# Altium PCB TwoFoot_PCB_m4T1Top2.PcbDoc (part 5 of 9)
Units mil, origin at the board's own origin, x right, y up, seen from the top; angles counter-clockwise.
Board outline 2525.58 x 2682.53 mil, 2 copper layers (Top Layer, Bottom Layer); 83 components, 113 nets, 349 pads, 87 vias.
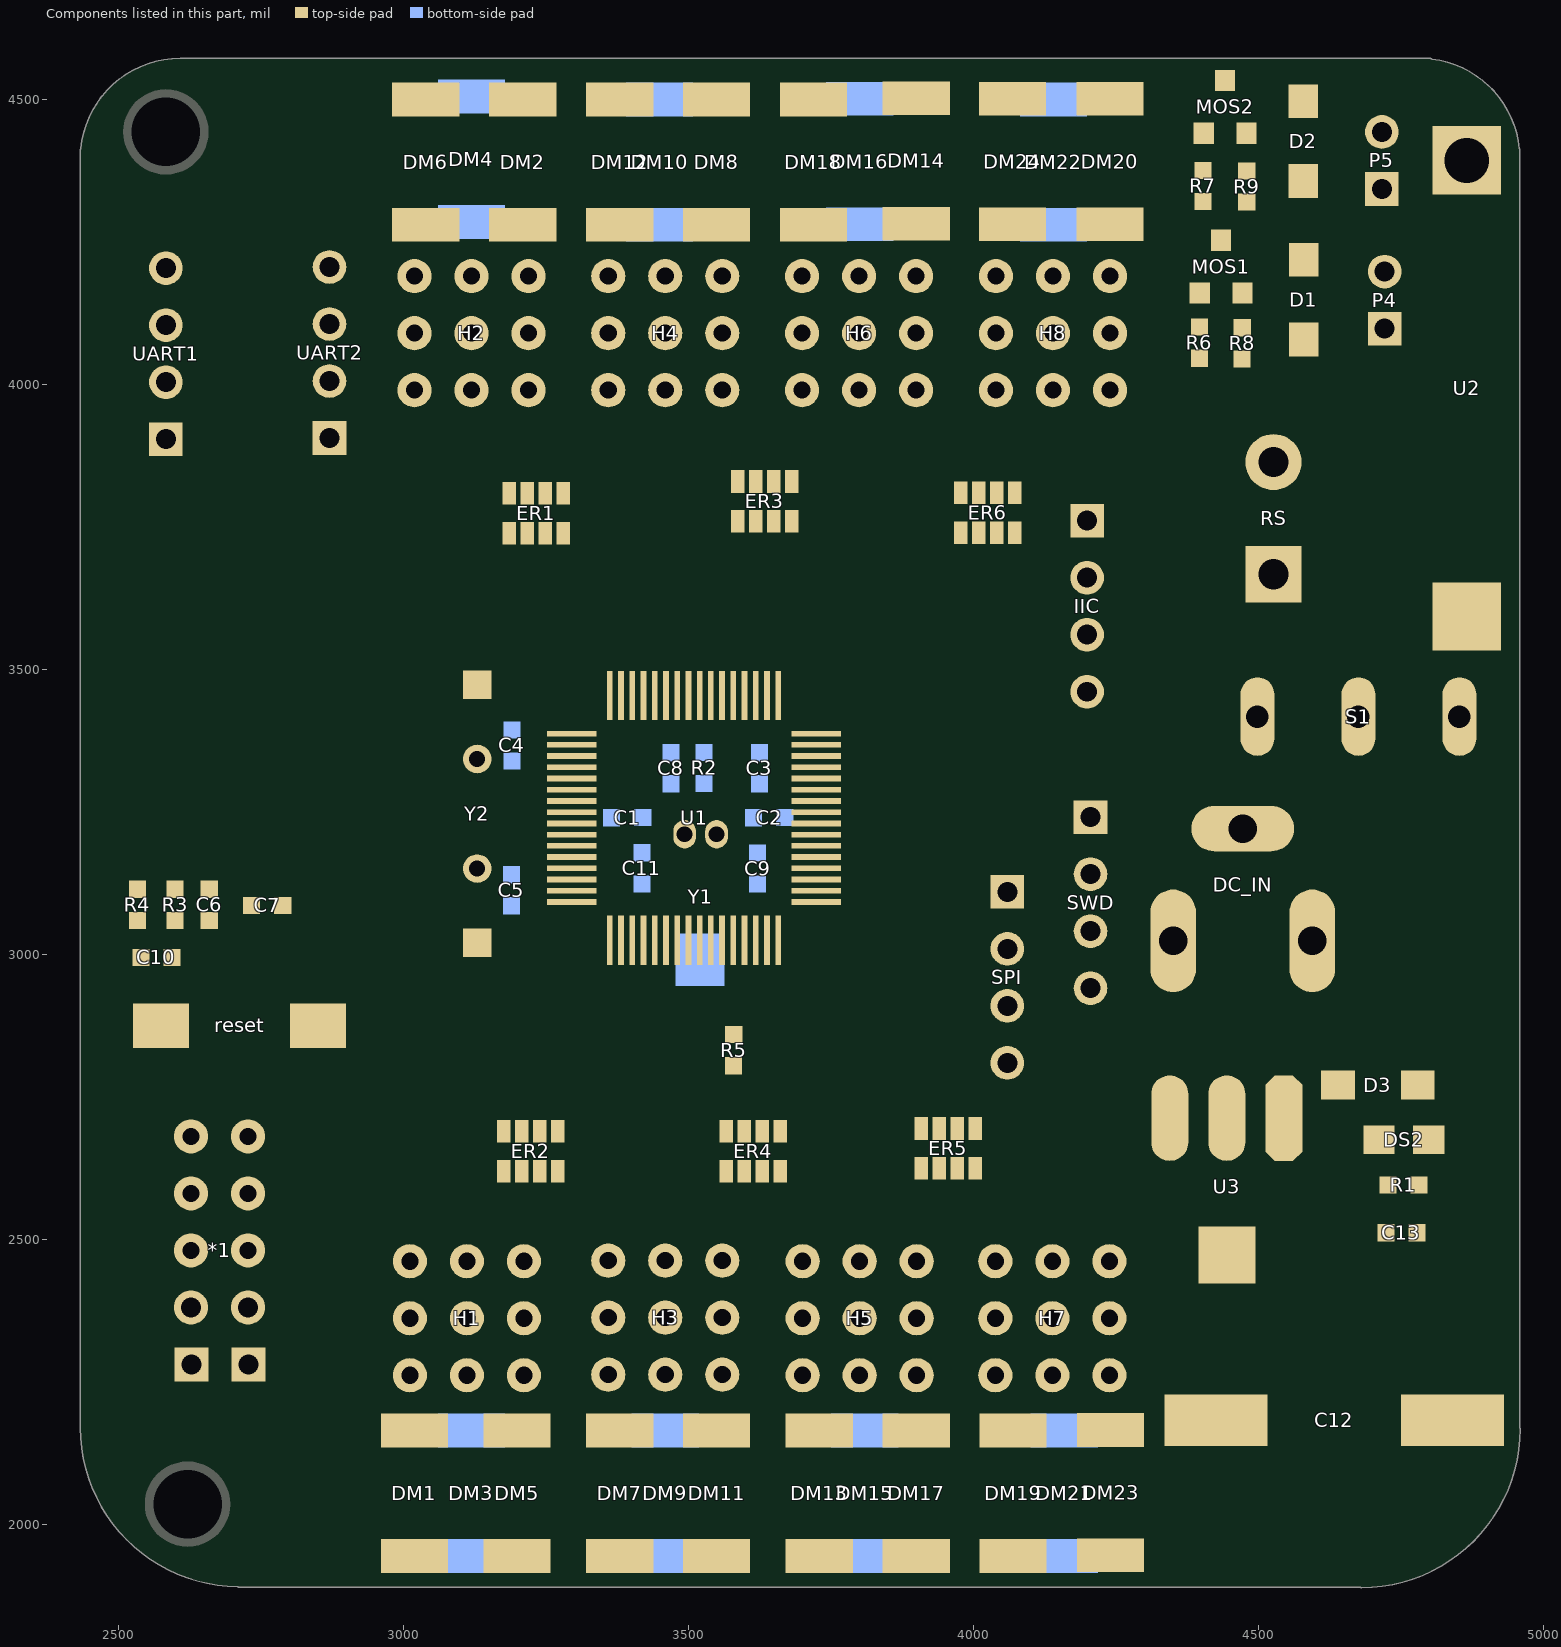
[diagram p5: the components of this part, seen from the top]

## Via types
v1: diameter 24, hole 12, Top Layer to Bottom Layer, 65 vias
v2: diameter 30, hole 20, Top Layer to Bottom Layer, 8 vias
v3: diameter 20, hole 15, Top Layer to Bottom Layer, 8 vias
v4: diameter 32, hole 15, Top Layer to Bottom Layer, 3 vias
v5: diameter 60, hole 45, Top Layer to Bottom Layer, 1 vias
v6: diameter 50, hole 35, Top Layer to Bottom Layer, 1 vias
v7: diameter 30, hole 15, Top Layer to Bottom Layer, 1 vias

## Nets (pads, with @x,y where several pads share a name; then routed paths per layer and width w, separated by ;. In a path a pad name is that pad's centre, name@x,y a point inside that pad or via, vN(x,y) a via of type N, cw(c..) or ccw(c..) an arc to the next point about the centre after c; other vN are vias at no path point) (continued)
copper on no net: (continued)
  Top Layer w0.6: 2886.6,3435.8 2886.6,3596.6 ; 2886.6,3597.2 2886.6,3723.8 ; 2887.2,3434.6 2887.2,3506 ; 2887.2,3506.6 2887.2,3508.4 ; 2887.2,3509 2887.2,3510.8 ; 2887.2,3511.4 2887.2,3513.8 ; 2887.2,3514.4 2887.2,3661.4 ; 2887.2,3662 2887.2,3662.6 ; 2887.2,3663.2 2887.2,3725 ; 2887.8,3433.4 2887.8,3503.6 ; 2887.8,3504.2 2887.8,3509.6 ; 2887.8,3510.2 2887.8,3725.6 ; 2888.4,3432.8 2888.4,3626 ; 2888.4,3627.8 2888.4,3632.6 ; 2888.4,3633.2 2888.4,3726.2 ; 2889,3432.2 2889,3433.4 ; 2889,3434 2889,3456.8 ; 2889,3457.4 2889,3459.2 ; 2889,3459.8 2889,3624.8 ; 2889,3636.2 2889,3671 ; 2889,3671.6 2889,3726.8 ; 2889.6,3431 2889.6,3432.8 ; 2889.6,3433.4 2889.6,3455.6 ; 2889.6,3456.2 2889.6,3507.8 ; 2889.6,3508.4 2889.6,3511.4 ; 2889.6,3512 2889.6,3515 ; 2889.6,3515.6 2889.6,3623 ; 2889.6,3638 2889.6,3671 ; 2889.6,3672.2 2889.6,3727.4 ; 2890.2,3430.4 2890.2,3512 ; 2890.2,3513.2 2890.2,3621.8 ; 2890.2,3639.2 2890.2,3670.4 ; 2890.2,3672.2 2890.2,3723.2 ; 2890.2,3723.8 2890.2,3727.4 ; 2890.8,3429.2 2890.8,3452.6 ; 2890.8,3453.2 2890.8,3513.2 ; 2890.8,3513.8 2890.8,3621.2 ; 2890.8,3641.6 2890.8,3642.2 ; 2890.8,3642.8 2890.8,3662 ; 2890.8,3662.6 2890.8,3669.8 ; 2890.8,3672.8 2890.8,3725 ; 2890.8,3725.6 2890.8,3728.6 ; 2891.4,3428.6 2891.4,3455 ; 2891.4,3455.6 2891.4,3514.4 ; 2891.4,3515 2891.4,3621.2 ; 2891.4,3642.8 2891.4,3669.8 ; 2891.4,3672.8 2891.4,3728.6 ; 2892,3428 2892,3428.6 ; 2892,3429.8 2892,3451.4 ; 2892,3452 2892,3515 ; 2892,3515.6 2892,3620 ; 2892,3642.2 2892,3669.2 ; 2892,3673.4 2892,3728.6 ; 2892.6,3427.4 2892.6,3620 ; 2892.6,3645.2 2892.6,3669.2 ; 2892.6,3673.4 2892.6,3729.2 ; 2893.2,3426.2 2893.2,3448.4 ; 2893.2,3449 2893.2,3453.2 ; 2893.2,3453.8 2893.2,3515.6 ; 2893.2,3516.2 2893.2,3619.4 ; 2893.2,3647 2893.2,3669.2 ; 2893.2,3674 2893.2,3729.2 ; 2893.8,3425.6 2893.8,3426.8 ; 2893.8,3427.4 2893.8,3442.4 ; 2893.8,3443.6 2893.8,3452 ; 2893.8,3452.6 2893.8,3513.2 ; 2893.8,3513.8 2893.8,3619.4 ; 2893.8,3648.8 2893.8,3669.2 ; 2893.8,3674 2893.8,3729.8 ; 2894.4,3424.4 2894.4,3426.2 ; 2894.4,3426.8 2894.4,3618.8 ; 2894.4,3651.2 2894.4,3668 ; 2894.4,3674.6 2894.4,3675.8 ; 2894.4,3676.4 2894.4,3726.8 ; 2894.4,3727.4 2894.4,3729.8 ; 2895,3423.8 2895,3450.8 ; 2895,3452 2895,3618.8 ; 2895,3653 2895,3667.4 ; 2895,3674.6 2895,3675.2 ; 2895,3677 2895,3712.4 ; 2895,3713 2895,3729.8 ; 2895.6,3423.2 2895.6,3424.4 ; 2895.6,3425 2895.6,3618.2 ; 2895.6,3654.2 2895.6,3667.4 ; 2895.6,3677 2895.6,3730.4 ; 2896.2,3422.6 2896.2,3447.2 ; 2896.2,3447.8 2896.2,3450.8 ; 2896.2,3451.4 2896.2,3617.6 ; 2896.2,3654.8 2896.2,3667.4 ; 2896.2,3677.6 2896.2,3685.4 ; 2896.2,3686 2896.2,3730.4 ; 2896.8,3421.4 2896.8,3617 ; 2896.8,3656.6 2896.8,3667.4 ; 2896.8,3681.8 2896.8,3685.4 ; 2896.8,3686.6 2896.8,3729.2 ; 2896.8,3729.8 2896.8,3730.4 ; 2897.4,3421.4 2897.4,3616.4 ; 2897.4,3657.2 2897.4,3665 ; 2897.4,3665.6 2897.4,3667.4 ; 2897.4,3682.4 2897.4,3685.4 ; 2897.4,3686 2897.4,3730.4 ; 2898,3420.2 2898,3615.8 ; 2898,3658.4 2898,3665 ; 2898,3665.6 2898,3666.2 ; 2898,3684.2 2898,3729.2 ; 2898,3729.8 2898,3730.4 ; 2898.6,3419.6 2898.6,3614.6 ; 2898.6,3659 2898.6,3665 ; 2898.6,3665.6 2898.6,3666.2 ; 2898.6,3687.8 2898.6,3729.2 ; 2898.6,3729.8 2898.6,3730.4 ; 2899.2,3419 2899.2,3614.6 ; 2899.2,3660.2 2899.2,3665.6 ; 2899.2,3690.2 2899.2,3730.4 ; 2899.8,3418.4 2899.8,3614 ; 2899.8,3660.2 2899.8,3665.6 ; 2899.8,3691.4 2899.8,3729.8 ; 2900.4,3417.8 2900.4,3614 ; 2900.4,3660.8 2900.4,3661.4 ; 2900.4,3662 2900.4,3665.6 ; 2900.4,3692.6 2900.4,3729.8 ; 2901,3417.2 2901,3483.8 ; 2901,3485.6 2901,3614 ; 2901,3660.8 2901,3661.4 ; 2901,3662 2901,3665.6 ; 2901,3692.6 2901,3729.8 ; 2901.6,3416.6 2901.6,3479.6 ; 2901.6,3486.8 2901.6,3614 ; 2901.6,3662.6 2901.6,3663.8 ; 2901.6,3664.4 2901.6,3665.6 ; 2901.6,3695.6 2901.6,3702.2 ; 2901.6,3703.4 2901.6,3729.8 ; 2902.2,3416 2902.2,3476 ; 2902.2,3488 2902.2,3488.6 ; 2902.2,3489.2 2902.2,3613.4 ; 2902.2,3662.6 2902.2,3663.8 ; 2902.2,3664.4 2902.2,3665.6 ; 2902.2,3696.2 2902.2,3702.2 ; 2902.2,3704 2902.2,3704.6 ; 2902.2,3705.2 2902.2,3729.2 ; 2902.8,3415.4 2902.8,3474.2 ; 2902.8,3489.8 2902.8,3602.6 ; 2902.8,3604.4 2902.8,3606.8 ; 2902.8,3608 2902.8,3608.6 ; 2902.8,3611 2902.8,3613.4 ; 2902.8,3662.6 2902.8,3663.8 ; 2902.8,3664.4 2902.8,3665.6 ; 2902.8,3696.8 2902.8,3702.2 ; 2902.8,3704 2902.8,3704.6 ; 2902.8,3707 2902.8,3729.2 ; 2903.4,3414.8 2903.4,3473.6 ; 2903.4,3490.4 2903.4,3602.6 ; 2903.4,3605 2903.4,3606.8 ; 2903.4,3611 2903.4,3613.4 ; 2903.4,3662.6 2903.4,3663.8 ; 2903.4,3664.4 2903.4,3665.6 ; 2903.4,3697.4 2903.4,3702.2 ; 2903.4,3708.2 2903.4,3729.8 ; 2904,3414.2 2904,3473 ; 2904,3491 2904,3602.6 ; 2904,3605.6 2904,3606.2 ; 2904,3610.4 2904,3613.4 ; 2904,3624.8 2904,3627.2 ; 2904,3627.8 2904,3628.4 ; 2904,3664.4 2904,3666.2 ; 2904,3697.4 2904,3699.8 ; 2904,3700.4 2904,3702.2 ; 2904,3708.8 2904,3709.4 ; 2904,3710.6 2904,3730.4 ; 2904.6,3413.6 2904.6,3470.6 ; 2904.6,3491.6 2904.6,3603.2 ; 2904.6,3609.8 2904.6,3614 ; 2904.6,3621.8 2904.6,3631.4 ; 2904.6,3664.4 2904.6,3666.2 ; 2904.6,3698 2904.6,3699.8 ; 2904.6,3700.4 2904.6,3702.2 ; 2904.6,3708.8 2904.6,3709.4 ; 2904.6,3710.6 2904.6,3731 ; 2905.2,3413 2905.2,3469.4 ; 2905.2,3492.2 2905.2,3603.2 ; 2905.2,3609.2 2905.2,3614.6 ; 2905.2,3620 2905.2,3633.2 ; 2905.2,3664.4 2905.2,3666.2 ; 2905.2,3698.6 2905.2,3699.8 ; 2905.2,3700.4 2905.2,3702.2 ; 2905.2,3710.6 2905.2,3711.8 ; 2905.2,3713 2905.2,3714.2 ; 2905.2,3714.8 2905.2,3731 ; 2905.8,3413 2905.8,3466.4 ; 2905.8,3467 2905.8,3468.8 ; 2905.8,3492.8 2905.8,3603.8 ; 2905.8,3608.6 2905.8,3614.6 ; 2905.8,3619.4 2905.8,3634.4 ; 2905.8,3664.4 2905.8,3666.2 ; 2905.8,3699.2 2905.8,3699.8 ; 2905.8,3700.4 2905.8,3702.2 ; 2905.8,3710.6 2905.8,3711.2 ; 2905.8,3713.6 2905.8,3714.2 ; 2905.8,3714.8 2905.8,3731.6 ; 2906.4,3412.4 2906.4,3468.2 ; 2906.4,3493.4 2906.4,3603.8 ; 2906.4,3608.6 2906.4,3614.6 ; 2906.4,3615.8 2906.4,3616.4 ; 2906.4,3619.4 2906.4,3635.6 ; 2906.4,3665 2906.4,3666.2 ; 2906.4,3700.4 2906.4,3702.2 ; 2906.4,3712.4 2906.4,3714.2 ; 2906.4,3714.8 2906.4,3731.6 ; 2907,3411.8 2907,3465.8 ; 2907,3494.6 2907,3603.8 ; 2907,3608.6 2907,3614.6 ; 2907,3615.8 2907,3616.4 ; 2907,3618.8 2907,3636.8 ; 2907,3665 2907,3666.2 ; 2907,3700.4 2907,3702.2 ; 2907,3713 2907,3714.2 ; 2907,3714.8 2907,3732.2 ; 2907.6,3411.2 2907.6,3464 ; 2907.6,3464.6 2907.6,3465.2 ; 2907.6,3497 2907.6,3605 ; 2907.6,3608.6 2907.6,3616.4 ; 2907.6,3617.6 2907.6,3637.4 ; 2907.6,3665 2907.6,3666.2 ; 2907.6,3700.4 2907.6,3701.6 ; 2907.6,3714.8 2907.6,3732.2 ; 2908.2,3410.6 2908.2,3463.4 ; 2908.2,3464.6 2908.2,3465.2 ; 2908.2,3495.8 2908.2,3605.6 ; 2908.2,3608.6 2908.2,3616.4 ; 2908.2,3617.6 2908.2,3638.6 ; 2908.2,3665 2908.2,3666.2 ; 2908.2,3699.8 2908.2,3701 ; 2908.2,3714.8 2908.2,3732.8 ; 2908.8,3407.6 2908.8,3462.8 ; 2908.8,3496.4 2908.8,3605.6 ; 2908.8,3609.2 2908.8,3616.4 ; 2908.8,3617 2908.8,3638.6 ; 2908.8,3665 2908.8,3666.2 ; 2908.8,3714.8 2908.8,3732.8 ; 2909.4,3405.2 2909.4,3440.6 ; 2909.4,3441.2 2909.4,3461.6 ; 2909.4,3497.6 2909.4,3605.6 ; 2909.4,3609.8 2909.4,3615.8 ; 2909.4,3617 2909.4,3639.2 ; 2909.4,3665 2909.4,3666.2 ; 2909.4,3714.2 2909.4,3733.4 ; 2910,3403.4 2910,3440 ; 2910,3441.8 2910,3460.4 ; 2910,3498.2 2910,3606.2 ; 2910,3610.4 2910,3615.8 ; 2910,3617 2910,3639.8 ; 2910,3665 2910,3666.2 ; 2910,3714.2 2910,3734 ; 2910.6,3402.2 2910.6,3440 ; 2910.6,3442.4 2910.6,3459.2 ; 2910.6,3498.2 2910.6,3608 ; 2910.6,3610.4 2910.6,3616.4 ; 2910.6,3617 2910.6,3640.4 ; 2910.6,3665 2910.6,3666.2 ; 2910.6,3714.2 2910.6,3734 ; 2911.2,3400.4 2911.2,3440 ; 2911.2,3442.4 2911.2,3459.8 ; 2911.2,3499.4 2911.2,3606.8 ; 2911.2,3608 2911.2,3609.2 ; 2911.2,3611 2911.2,3615.8 ; 2911.2,3617 2911.2,3640.4 ; 2911.2,3661.4 2911.2,3662 ; 2911.2,3664.4 2911.2,3666.2 ; 2911.2,3711.8 2911.2,3712.4 ; 2911.2,3713 2911.2,3713.6 ; 2911.2,3714.2 2911.2,3734.6 ; 2911.8,3399.2 2911.8,3439.4 ; 2911.8,3443.6 2911.8,3459.2 ; 2911.8,3498.2 2911.8,3610.4 ; 2911.8,3612.2 2911.8,3615.8 ; 2911.8,3616.4 2911.8,3641 ; 2911.8,3664.4 2911.8,3666.2 ; 2911.8,3714.2 2911.8,3734.6 ; 2912.4,3398.6 2912.4,3439.4 ; 2912.4,3444.2 2912.4,3458 ; 2912.4,3498.2 2912.4,3500.6 ; 2912.4,3503.6 2912.4,3510.2 ; 2912.4,3511.4 2912.4,3610.4 ; 2912.4,3612.2 2912.4,3641 ; 2912.4,3664.4 2912.4,3665.6 ; 2912.4,3714.2 2912.4,3734.6 ; 2913,3397.4 2913,3437 ; 2913,3444.8 2913,3457.4 ; 2913,3498.2 2913,3500 ; 2913,3508.4 2913,3509.6 ; 2913,3511.4 2913,3612.8 ; 2913,3613.4 2913,3641 ; 2913,3664.4 2913,3665.6 ; 2913,3714.2 2913,3735.2 ; 2913.6,3396.8 2913.6,3435.8 ; 2913.6,3445.4 2913.6,3456.8 ; 2913.6,3511.4 2913.6,3612.8 ; 2913.6,3613.4 2913.6,3614 ; 2913.6,3615.2 2913.6,3639.2 ; 2913.6,3639.8 2913.6,3641 ; 2913.6,3665 2913.6,3665.6 ; 2913.6,3713.6 2913.6,3735.2 ; 2914.2,3396.2 2914.2,3434 ; 2914.2,3446 2914.2,3456.2 ; 2914.2,3500 2914.2,3500.6 ; 2914.2,3510.8 2914.2,3611.6 ; 2914.2,3612.2 2914.2,3641 ; 2914.2,3663.8 2914.2,3665.6 ; 2914.2,3713.6 2914.2,3735.2 ; 2914.8,3395.6 2914.8,3433.4 ; 2914.8,3446.6 2914.8,3455 ; 2914.8,3499.4 2914.8,3501.8 ; 2914.8,3510.8 2914.8,3641 ; 2914.8,3663.8 2914.8,3665.6 ; 2914.8,3713.6 2914.8,3735.2 ; 2915.4,3394.4 2915.4,3399.8 ; 2915.4,3400.4 2915.4,3433.4 ; 2915.4,3446.6 2915.4,3447.2 ; 2915.4,3447.8 2915.4,3454.4 ; 2915.4,3497 2915.4,3498.2 ; 2915.4,3499.4 2915.4,3503 ; 2915.4,3510.8 2915.4,3612.8 ; 2915.4,3613.4 2915.4,3640.4 ; 2915.4,3663.8 2915.4,3665 ; 2915.4,3710 2915.4,3710.6 ; 2915.4,3713.6 2915.4,3735.8 ; 2916,3394.4 2916,3428.6 ; 2916,3429.2 2916,3431 ; 2916,3446.6 2916,3447.2 ; 2916,3447.8 2916,3454.4 ; 2916,3488.6 2916,3492.2 ; 2916,3493.4 2916,3494 ; 2916,3495.8 2916,3496.4 ; 2916,3497.6 2916,3503 ; 2916,3510.2 2916,3640.4 ; 2916,3659.6 2916,3660.2 ; 2916,3663.8 2916,3665 ; 2916,3713 2916,3735.8 ; 2916.6,3393.8 2916.6,3431 ; 2916.6,3448.4 2916.6,3454.4 ; 2916.6,3485.6 2916.6,3495.2 ; 2916.6,3497.6 2916.6,3503 ; 2916.6,3509.6 2916.6,3632.6 ; 2916.6,3633.2 2916.6,3639.8 ; 2916.6,3659.6 2916.6,3660.2 ; 2916.6,3663.2 2916.6,3665 ; 2916.6,3713 2916.6,3735.8 ; 2917.2,3393.2 2917.2,3404 ; 2917.2,3404.6 2917.2,3429.2 ; 2917.2,3448.4 2917.2,3453.8 ; 2917.2,3483.8 2917.2,3496.4 ; 2917.2,3497.6 2917.2,3503 ; 2917.2,3509.6 2917.2,3639.2 ; 2917.2,3659 2917.2,3660.2 ; 2917.2,3661.4 2917.2,3662 ; 2917.2,3663.2 2917.2,3664.4 ; 2917.2,3665 2917.2,3665.6 ; 2917.2,3713 2917.2,3735.8 ; 2917.8,3392.6 2917.8,3426.2 ; 2917.8,3427.4 2917.8,3429.2 ; 2917.8,3448.4 2917.8,3453.2 ; 2917.8,3482.6 2917.8,3497.6 ; 2917.8,3498.2 2917.8,3502.4 ; 2917.8,3509 2917.8,3638.6 ; 2917.8,3656.6 2917.8,3660.2 ; 2917.8,3662.6 2917.8,3665 ; 2917.8,3710 2917.8,3710.6 ; 2917.8,3712.4 2917.8,3735.8 ; 2918.4,3392.6 2918.4,3417.8 ; 2918.4,3419 2918.4,3426.2 ; 2918.4,3448.4 2918.4,3453.2 ; 2918.4,3480.8 2918.4,3501.8 ; 2918.4,3508.4 2918.4,3627.8 ; 2918.4,3629 2918.4,3637.4 ; 2918.4,3656.6 2918.4,3659.6 ; 2918.4,3662.6 2918.4,3663.8 ; 2918.4,3699.8 2918.4,3705.8 ; 2918.4,3710 2918.4,3710.6 ; 2918.4,3711.8 2918.4,3735.8 ; 2919,3392 2919,3417.8 ; 2919,3419 2919,3424.4 ; 2919,3448.4 2919,3452.6 ; 2919,3480.2 2919,3497.6 ; 2919,3498.2 2919,3501.8 ; 2919,3507.8 2919,3635 ; 2919,3654.2 2919,3659.6 ; 2919,3662.6 2919,3665 ; 2919,3693.2 2919,3735.8 ; 2919.6,3392 2919.6,3417.2 ; 2919.6,3418.4 2919.6,3423.8 ; 2919.6,3449 2919.6,3452 ; 2919.6,3479.6 2919.6,3497.6 ; 2919.6,3498.2 2919.6,3501.8 ; 2919.6,3507.2 2919.6,3632.6 ; 2919.6,3653.6 2919.6,3659 ; 2919.6,3661.4 2919.6,3663.8 ; 2919.6,3664.4 2919.6,3665 ; 2919.6,3693.2 2919.6,3711.8 ; 2919.6,3712.4 2919.6,3736.4 ; 2920.2,3391.4 2920.2,3414.2 ; 2920.2,3418.4 2920.2,3423.8 ; 2920.2,3449 2920.2,3451.4 ; 2920.2,3479 2920.2,3501.8 ; 2920.2,3506.6 2920.2,3632 ; 2920.2,3632.6 2920.2,3635.6 ; 2920.2,3653 2920.2,3658.4 ; 2920.2,3661.4 2920.2,3663.8 ; 2920.2,3664.4 2920.2,3665 ; 2920.2,3665.6 2920.2,3666.2 ; 2920.2,3695 2920.2,3711.8 ; 2920.2,3712.4 2920.2,3736.4 ; 2920.8,3391.4 2920.8,3415.4 ; 2920.8,3417.8 2920.8,3422 ; 2920.8,3449 2920.8,3450.2 ; 2920.8,3450.8 2920.8,3452 ; 2920.8,3477.8 2920.8,3497.6 ; 2920.8,3498.8 2920.8,3501.2 ; 2920.8,3506 2920.8,3629 ; 2920.8,3630.2 2920.8,3632.6 ; 2920.8,3633.2 2920.8,3637.4 ; 2920.8,3638 2920.8,3638.6 ; 2920.8,3639.8 2920.8,3641 ; 2920.8,3641.6 2920.8,3642.2 ; 2920.8,3645.2 2920.8,3647 ; 2920.8,3648.8 2920.8,3657.2 ; 2920.8,3657.8 2920.8,3659 ; 2920.8,3660.2 2920.8,3660.8 ; 2920.8,3661.4 2920.8,3663.8 ; 2920.8,3664.4 2920.8,3665.6 ; 2920.8,3695 2920.8,3736.4 ; 2921.4,3391.4 2921.4,3411.2 ; 2921.4,3411.8 2921.4,3413 ; 2921.4,3417.8 2921.4,3421.4 ; 2921.4,3449 2921.4,3452 ; 2921.4,3477.8 2921.4,3500 ; 2921.4,3500.6 2921.4,3501.2 ; 2921.4,3504.8 2921.4,3631.4 ; 2921.4,3632.6 2921.4,3641 ; 2921.4,3642.2 2921.4,3644.6 ; 2921.4,3648.8 2921.4,3657.8 ; 2921.4,3659 2921.4,3659.6 ; 2921.4,3660.8 2921.4,3664.4 ; 2921.4,3694.4 2921.4,3695 ; 2921.4,3695.6 2921.4,3736.4 ; 2922,3390.8 2922,3410 ; 2922,3418.4 2922,3419.6 ; 2922,3420.8 2922,3421.4 ; 2922,3449 2922,3451.4 ; 2922,3477.2 2922,3499.4 ; 2922,3500.6 2922,3501.2 ; 2922,3504.2 2922,3633.8 ; 2922,3635.6 2922,3641.6 ; 2922,3642.2 2922,3647 ; 2922,3647.6 2922,3657.8 ; 2922,3659 2922,3659.6 ; 2922,3660.2 2922,3662.6 ; 2922,3663.2 2922,3665 ; 2922,3693.2 2922,3695 ; 2922,3696.2 2922,3737 ; 2922.6,3390.8 2922.6,3393.2 ; 2922.6,3393.8 2922.6,3408.8 ; 2922.6,3410.6 2922.6,3411.8 ; 2922.6,3418.4 2922.6,3419 ; 2922.6,3449 2922.6,3450.8 ; 2922.6,3476.6 2922.6,3499.4 ; 2922.6,3500 2922.6,3500.6 ; 2922.6,3503.6 2922.6,3632 ; 2922.6,3632.6 2922.6,3657.2 ; 2922.6,3657.8 2922.6,3659 ; 2922.6,3659.6 2922.6,3660.8 ; 2922.6,3661.4 2922.6,3662.6 ; 2922.6,3663.8 2922.6,3665 ; 2922.6,3693.2 2922.6,3712.4 ; 2922.6,3713 2922.6,3737 ; 2923.2,3390.8 2923.2,3393.2 ; 2923.2,3393.8 2923.2,3408.8 ; 2923.2,3418.4 2923.2,3419 ; 2923.2,3449 2923.2,3450.8 ; 2923.2,3476 2923.2,3500.6 ; 2923.2,3503 2923.2,3640.4 ; 2923.2,3641 2923.2,3656.6 ; 2923.2,3657.8 2923.2,3658.4 ; 2923.2,3659 2923.2,3663.2 ; 2923.2,3663.8 2923.2,3665.6 ; 2923.2,3693.8 2923.2,3737 ; 2923.8,3390.8 2923.8,3404.6 ; 2923.8,3405.2 2923.8,3406.4 ; 2923.8,3407 2923.8,3408.8 ; 2923.8,3449 2923.8,3450.8 ; 2923.8,3476 2923.8,3476.6 ; 2923.8,3477.2 2923.8,3502.4 ; 2923.8,3503 2923.8,3636.8 ; 2923.8,3637.4 2923.8,3638 ; 2923.8,3639.2 2923.8,3656.6 ; 2923.8,3657.2 2923.8,3657.8 ; 2923.8,3659 2923.8,3661.4 ; 2923.8,3662 2923.8,3663.8 ; 2923.8,3664.4 2923.8,3665.6 ; 2923.8,3695 2923.8,3737 ; 2924.4,3390.8 2924.4,3404.6 ; 2924.4,3405.2 2924.4,3406.4 ; 2924.4,3449 2924.4,3450.8 ; 2924.4,3475.4 2924.4,3638 ; 2924.4,3639.8 2924.4,3640.4 ; 2924.4,3641 2924.4,3659 ; 2924.4,3659.6 2924.4,3663.8 ; 2924.4,3665 2924.4,3666.2 ; 2924.4,3696.2 2924.4,3737 ; 2925,3390.8 2925,3402.8 ; 2925,3404 2925,3404.6 ; 2925,3405.8 2925,3407 ; 2925,3449.6 2925,3450.8 ; 2925,3475.4 2925,3638 ; 2925,3641.6 2925,3656 ; 2925,3656.6 2925,3657.2 ; 2925,3657.8 2925,3664.4 ; 2925,3665.6 2925,3666.2 ; 2925,3699.8 2925,3737 ; 2925.6,3390.8 2925.6,3402.8 ; 2925.6,3403.4 2925.6,3404 ; 2925.6,3405.2 2925.6,3405.8 ; 2925.6,3449.6 2925.6,3450.8 ; 2925.6,3475.4 2925.6,3638 ; 2925.6,3644 2925.6,3653.6 ; 2925.6,3654.2 2925.6,3656.6 ; 2925.6,3657.2 2925.6,3665 ; 2925.6,3699.8 2925.6,3737 ; 2926.2,3390.8 2926.2,3392.6 ; 2926.2,3393.2 2926.2,3402.8 ; 2926.2,3403.4 2926.2,3404 ; 2926.2,3449.6 2926.2,3450.8 ; 2926.2,3475.4 2926.2,3638.6 ; 2926.2,3645.8 2926.2,3656 ; 2926.2,3656.6 2926.2,3665 ; 2926.2,3700.4 2926.2,3737.6 ; 2926.8,3390.8 2926.8,3402.8 ; 2926.8,3403.4 2926.8,3404 ; 2926.8,3449.6 2926.8,3450.8 ; 2926.8,3475.4 2926.8,3638.6 ; 2926.8,3647.6 2926.8,3665.6 ; 2926.8,3702.2 2926.8,3737.6 ; 2927.4,3390.8 2927.4,3402.2 ; 2927.4,3449.6 2927.4,3451.4 ; 2927.4,3475.4 2927.4,3638.6 ; 2927.4,3648.2 2927.4,3665.6 ; 2927.4,3702.8 2927.4,3737.6 ; 2928,3390.8 2928,3402.8 ; 2928,3449.6 2928,3451.4 ; 2928,3475.4 2928,3638.6 ; 2928,3648.2 2928,3665.6 ; 2928,3687.2 2928,3690.8 ; 2928,3703.4 2928,3737.6 ; 2928.6,3391.4 2928.6,3402.8 ; 2928.6,3450.2 2928.6,3452 ; 2928.6,3475.4 2928.6,3639.2 ; 2928.6,3648.2 2928.6,3656 ; 2928.6,3656.6 2928.6,3665.6 ; 2928.6,3686 2928.6,3691.4 ; 2928.6,3704.6 2928.6,3738.2 ; 2929.2,3391.4 2929.2,3402.8 ; 2929.2,3450.2 2929.2,3452 ; 2929.2,3475.4 2929.2,3639.2 ; 2929.2,3648.8 2929.2,3665.6 ; 2929.2,3667.4 2929.2,3668.6 ; 2929.2,3684.8 2929.2,3692 ; 2929.2,3707 2929.2,3738.2 ; 2929.8,3392 2929.8,3402.8 ; 2929.8,3450.2 2929.8,3452 ; 2929.8,3475.4 2929.8,3639.2 ; 2929.8,3648.8 2929.8,3666.2 ; 2929.8,3667.4 2929.8,3668.6 ; 2929.8,3684.2 2929.8,3692 ; 2929.8,3708.2 2929.8,3710 ; 2929.8,3710.6 2929.8,3738.2 ; 2930.4,3392 2930.4,3402.8 ; 2930.4,3450.8 2930.4,3452 ; 2930.4,3453.2 2930.4,3453.8 ; 2930.4,3476.6 2930.4,3489.8 ; 2930.4,3490.4 2930.4,3606.2 ; 2930.4,3606.8 2930.4,3639.8 ; 2930.4,3649.4 2930.4,3668.6 ; 2930.4,3684.2 2930.4,3692 ; 2930.4,3707.6 2930.4,3710 ; 2930.4,3710.6 2930.4,3711.2 ; 2930.4,3711.8 2930.4,3738.2 ; 2931,3392.6 2931,3403.4 ; 2931,3450.8 2931,3452.6 ; 2931,3453.8 2931,3454.4 ; 2931,3477.2 2931,3639.8 ; 2931,3649.4 2931,3668 ; 2931,3684.2 2931,3692 ; 2931,3707.6 2931,3710 ; 2931,3710.6 2931,3738.2 ; 2931.6,3392 2931.6,3403.4 ; 2931.6,3451.4 2931.6,3452.6 ; 2931.6,3453.8 2931.6,3454.4 ; 2931.6,3477.8 2931.6,3639.8 ; 2931.6,3649.4 2931.6,3668 ; 2931.6,3684.2 2931.6,3692 ; 2931.6,3707.6 2931.6,3710 ; 2931.6,3710.6 2931.6,3738.2 ; 2932.2,3391.4 2932.2,3403.4 ; 2932.2,3451.4 2932.2,3453.8 ; 2932.2,3455 2932.2,3455.6 ; 2932.2,3480.8 2932.2,3639.8 ; 2932.2,3650 2932.2,3668 ; 2932.2,3684.8 2932.2,3691.4 ; 2932.2,3707 2932.2,3738.8 ; 2932.8,3391.4 2932.8,3403.4 ; 2932.8,3451.4 2932.8,3456.8 ; 2932.8,3484.4 2932.8,3639.8 ; 2932.8,3650 2932.8,3668 ; 2932.8,3684.8 2932.8,3690.8 ; 2932.8,3707 2932.8,3738.8 ; 2933.4,3390.8 2933.4,3403.4 ; 2933.4,3452 2933.4,3456.8 ; 2933.4,3480.8 2933.4,3640.4 ; 2933.4,3650 2933.4,3667.4 ; 2933.4,3685.4 2933.4,3689.6 ; 2933.4,3706.4 2933.4,3738.8 ; 2934,3390.8 2934,3404 ; 2934,3452 2934,3459.8 ; 2934,3479.6 2934,3488 ; 2934,3489.2 2934,3640.4 ; 2934,3650.6 2934,3667.4 ; 2934,3683.6 2934,3684.2 ; 2934,3705.8 2934,3738.8 ; 2934.6,3390.2 2934.6,3404 ; 2934.6,3452 2934.6,3460.4 ; 2934.6,3474.8 2934.6,3476.6 ; 2934.6,3477.8 2934.6,3483.8 ; 2934.6,3484.4 2934.6,3486.8 ; 2934.6,3489.2 2934.6,3640.4 ; 2934.6,3650.6 2934.6,3667.4 ; 2934.6,3685.4 2934.6,3686 ; 2934.6,3689.6 2934.6,3690.2 ; 2934.6,3690.8 2934.6,3691.4 ; 2934.6,3705.8 2934.6,3739.4 ; 2935.2,3390.2 2935.2,3404 ; 2935.2,3451.4 2935.2,3452 ; 2935.2,3452.6 2935.2,3453.8 ; 2935.2,3454.4 2935.2,3460.4 ; 2935.2,3462.2 2935.2,3464 ; 2935.2,3469.4 2935.2,3470 ; 2935.2,3474.8 2935.2,3475.4 ; 2935.2,3476.6 2935.2,3483.2 ; 2935.2,3483.8 2935.2,3486.2 ; 2935.2,3489.8 2935.2,3640.4 ; 2935.2,3651.2 2935.2,3665 ; 2935.2,3696.8 2935.2,3698.6 ; 2935.2,3699.8 2935.2,3700.4 ; 2935.2,3701.6 2935.2,3739.4 ; 2935.8,3390.2 2935.8,3404 ; 2935.8,3451.4 2935.8,3452 ; 2935.8,3453.2 2935.8,3459.2 ; 2935.8,3459.8 2935.8,3461 ; 2935.8,3462.2 2935.8,3464 ; 2935.8,3464.6 2935.8,3467 ; 2935.8,3468.8 2935.8,3470.6 ; 2935.8,3472.4 2935.8,3473.6 ; 2935.8,3474.2 2935.8,3475.4 ; 2935.8,3476.6 2935.8,3484.4 ; 2935.8,3489.8 2935.8,3641 ; 2935.8,3651.8 2935.8,3665.6 ; 2935.8,3666.2 2935.8,3667.4 ; 2935.8,3696.2 2935.8,3708.8 ; 2935.8,3714.8 2935.8,3739.4 ; 2936.4,3389.6 2936.4,3404.6 ; 2936.4,3453.2 2936.4,3470.6 ; 2936.4,3471.8 2936.4,3483.8 ; 2936.4,3489.2 2936.4,3641 ; 2936.4,3651.8 2936.4,3672.8 ; 2936.4,3691.4 2936.4,3706.4 ; 2936.4,3715.4 2936.4,3739.4 ; 2937,3389.6 2937,3404.6 ; 2937,3452.6 2937,3482.6 ; 2937,3489.2 2937,3641 ; 2937,3652.4 2937,3674 ; 2937,3690.2 2937,3705.8 ; 2937,3714.8 2937,3739.4 ; 2937.6,3389.6 2937.6,3404.6 ; 2937.6,3452.6 2937.6,3453.8 ; 2937.6,3454.4 2937.6,3481.4 ; 2937.6,3489.2 2937.6,3528.2 ; 2937.6,3528.8 2937.6,3641 ; 2937.6,3653 2937.6,3669.8 ; 2937.6,3671 2937.6,3673.4 ; 2937.6,3676.4 2937.6,3678.8 ; 2937.6,3690.2 2937.6,3705.8 ; 2937.6,3715.4 2937.6,3739.4 ; 2938.2,3389.6 2938.2,3405.2 ; 2938.2,3450.8 2938.2,3451.4 ; 2938.2,3452.6 2938.2,3453.2 ; 2938.2,3454.4 2938.2,3479.6 ; 2938.2,3488.6 2938.2,3641.6 ; 2938.2,3653.6 2938.2,3670.4 ; 2938.2,3671 2938.2,3674.6 ; 2938.2,3675.8 2938.2,3679.4 ; 2938.2,3690.2 2938.2,3705.2 ; 2938.2,3716 2938.2,3716.6 ; 2938.2,3717.2 2938.2,3739.4 ; 2938.8,3389 2938.8,3405.2 ; 2938.8,3452.6 2938.8,3453.8 